# Altium PCB qfc.PcbDoc (part 5 of 13)
Units mil, origin at the board's own origin, x right, y up, seen from the top; angles counter-clockwise.
Board outline 1990 x 2620 mil, 4 copper layers (Top Layer, Mid-Layer 1, Mid-Layer 2, Bottom Layer); 217 components, 187 nets, 805 pads, 370 vias.
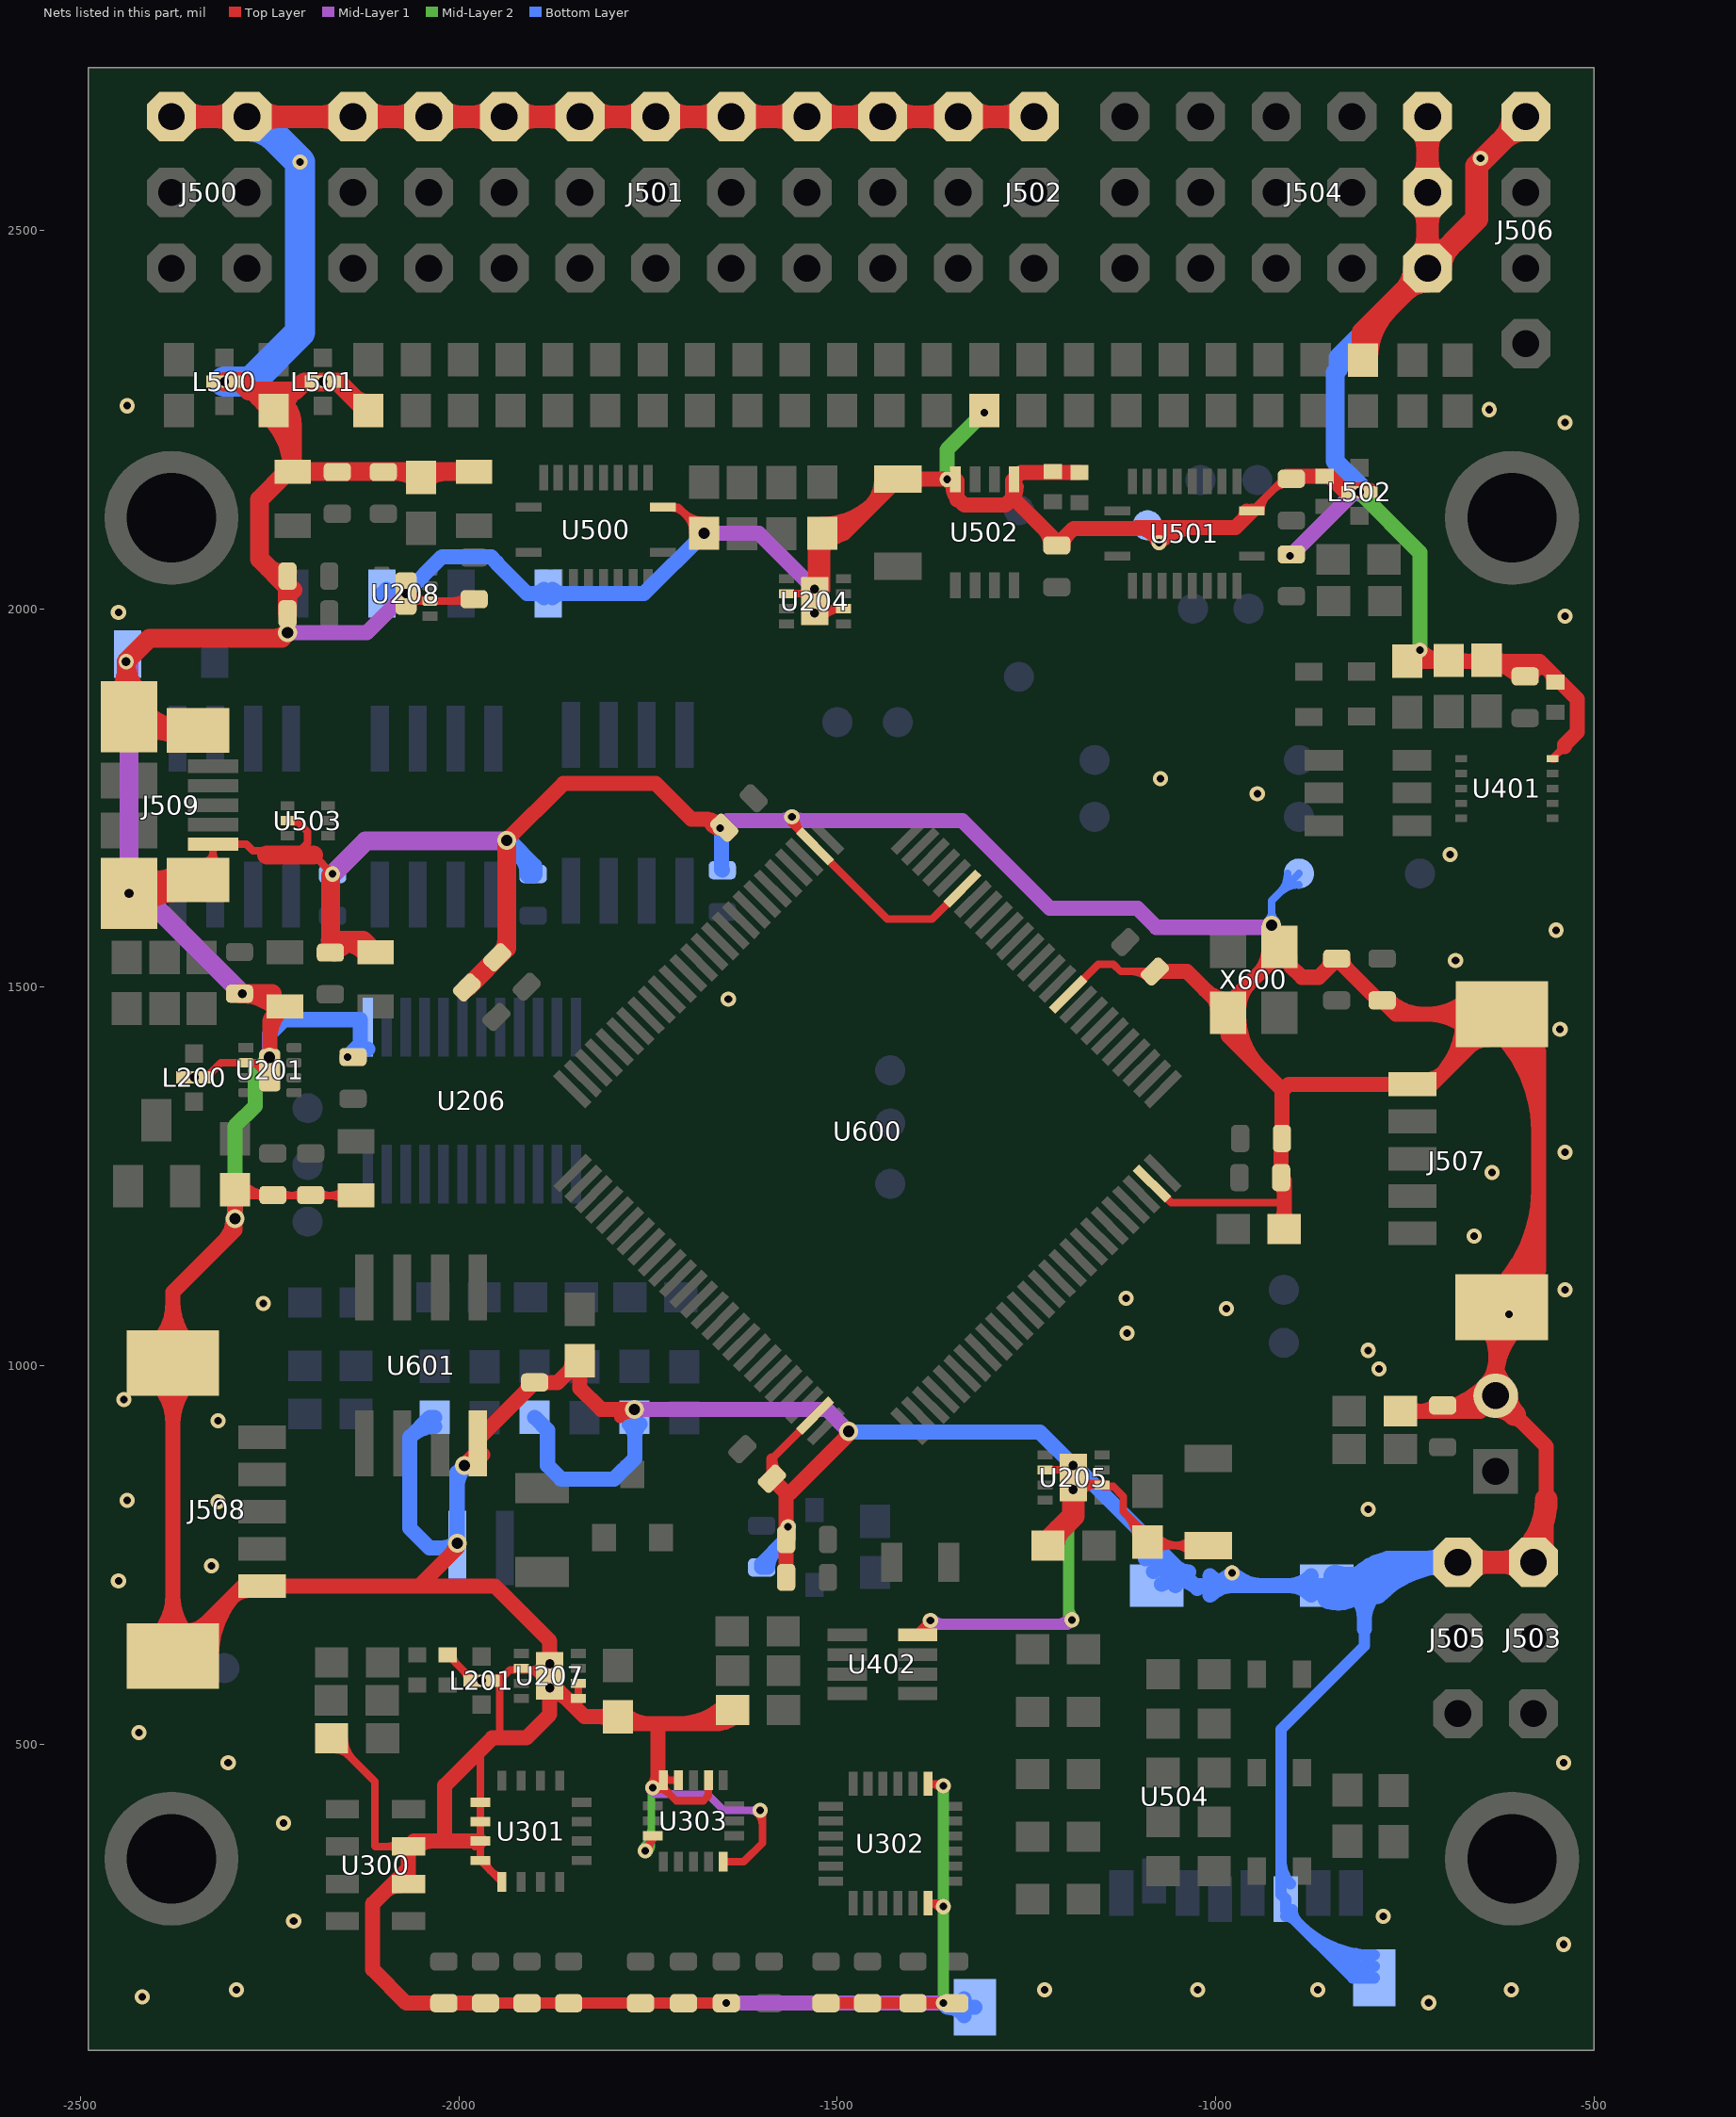
[diagram p7: the nets of this part, all layers, seen from the top]

## Via types
v1: diameter 20, hole 10, Top Layer to Bottom Layer, tented both sides, 256 vias
v2: diameter 22, hole 12, Top Layer to Bottom Layer, tented both sides, 31 vias
v3: diameter 25, hole 15, Top Layer to Bottom Layer, tented both sides, 29 vias
v4: diameter 20, hole 12, Top Layer to Bottom Layer, tented both sides, 17 vias
v5: diameter 30, hole 15, Top Layer to Bottom Layer, tented both sides, 12 vias
v6: diameter 25, hole 12, Top Layer to Bottom Layer, tented both sides, 11 vias
v7: diameter 25, hole 13, Top Layer to Bottom Layer, tented both sides, 5 vias
v8: diameter 40, hole 25, Top Layer to Bottom Layer, tented both sides, 2 vias
v9: diameter 23, hole 13, Top Layer to Bottom Layer, tented both sides, 2 vias
v10: diameter 30, hole 20, Top Layer to Bottom Layer, tented both sides, 2 vias
v11: diameter 20, hole 13, Top Layer to Bottom Layer, tented both sides, 1 vias
v12: diameter 20, hole 15, Top Layer to Bottom Layer, tented both sides, 1 vias
v13: diameter 30, hole 18, Top Layer to Bottom Layer, tented both sides, 1 vias

## Nets (pads, with @x,y where several pads share a name; then routed paths per layer and width w, separated by ;. In a path a pad name is that pad's centre, name@x,y a point inside that pad or via, vN(x,y) a via of type N, cw(c..) or ccw(c..) an arc to the next point about the centre after c; other vN are vias at no path point) (continued)
GND: (continued)
  Top Layer w20: J508.GND@-2378.11,615.91 J508.GND@-2378,616.02 ; R201.1@-2296,1232.23 v3(-2296,1194) -2296,1179 -2378,1097 J508.GND@-2378,1003.01 J508.GND@-2378,616.02 ; U201.GND@-2250,1390 -2250,1454.56 C213.2@-2230,1474.57 ; U300.2@-2066.69,315 -2066.69,336 ; v3(-2002,765) -2002,759.5 -2053.08,708.43 ; v3(-1993,868) -1975,886 U601.4@-1975,897 -1975,902.56 C606.P$2@-1900,977.56 -1869.44,977.56 R210.1@-1840.47,1006.54 -1840.47,970.18 -1812.28,942 -1777,942 v3(-1768,942) ; U301.11@-1971.93,371.73 -2019,371.73 ; C303.P$2@-1965,157.44 C300.P$2@-2020,157.44 -2069.44,157.44 -2114,202 -2114,288.69 -2066.69,336 ; v3(-1937,1694) -1862,1769 -1740,1769 -1693,1722 -1672.6,1722 -1670.6,1720 ; U207.GND@-1876,578 -1834,536 R223.2@-1790,536 -1781,527 -1737,527 ; R413.1@-1638.46,545 -1656.46,527 -1737,527 ; C604.P$2@-1586.51,850.51 -1567.56,831.56 C401.P$2@-1567.56,770 C402.P$2@-1567.56,720 ; -1562.26,831.56 v3@-1485,908.82 ; R221.1@-1520,2099.54 -1491.46,2099.54 C214.P$2@-1420,2171 -1344.12,2171 U502.4@-1344,2170.88 -1342,2168.88 -1342,2146.84 -1332.04,2136.88 -1278.16,2136.88 -1268.2,2146.84 ; D502.A@-1180,2180 -1257.5,2180 U502.1@-1266.61,2170.88 -1268.2,2169.29 -1268.2,2146.84 ; C602.P$2@-1080.51,1520.51 -1037.97,1520.51 X600.2@-983.46,1466 ; U501.11@-952.17,2128.96 -974.14,2107 -1104.68,2107 ; C601.P$2@-913.42,1299.01 C607.P$1@-913.42,1248.31 -909.52,1244.41 -909.52,1215 R601.1@-909.52,1180.31 ; C601.P$2@-912.44,1300 -912.44,1362.44 ; C501.P$2@-906.14,2175 -849.64,2175 -831.64,2157 L502.GND@-797.25,2157 ; -784.88,1482.44 -840,1537.56 -840,1536.82 -863.82,1513 -886.18,1513 -902,1528.82 -902,1539.31 X600.4@-916,1553.31 ; -780,1482.44 -761.65,1464.09 J507.GND@-621.89,1464.09 ; R409.2@-756,939.69 -650.31,939.69 P400.2@-630,960 ; J507.GND@-622,1076.99 -630,1068.99 P400.2@-630,960 ; J503.GND@-580,740 -563,757 -563,893 P400.2@-630,960 ; -573,1125.99 -573,1415.2 J507.GND@-621.89,1464.09 ; -539.03,1817.71 -539.03,1820.02 -522,1837.06 -522,1880.36 -572.1,1930.46 R404.1@-747,1930.46 ; J508.GND@-2401.66,639.46 ccw(c-2458.79,696.58) -2378,696.58 ; J508.GND@-2401.66,639.46 ccw(c-2458.79,696.58) -2378,696.58 ; J508.GND@-2401.66,639.46 ccw(c-2458.79,696.58) -2378,696.58 ; J508.GND@-2401.66,639.46 ccw(c-2458.79,696.58) -2378,696.58 ; J508.GND@-2401.55,979.46 cw(c-2458.41,922.6) -2378,922.6 ; J508.GND@-2401.55,979.46 cw(c-2458.41,922.6) -2378,922.6 ; J508.GND@-2401.55,979.46 cw(c-2458.41,922.6) -2378,922.6 ; J508.GND@-2401.55,979.46 cw(c-2458.41,922.6) -2378,922.6 ; J508.GND@-2401.55,1026.56 ccw(c-2458.41,1083.42) -2378,1083.42 ; J508.GND@-2401.55,1026.56 ccw(c-2458.41,1083.42) -2378,1083.42 ; J508.GND@-2401.55,1026.56 ccw(c-2458.41,1083.42) -2378,1083.42 ; J508.GND@-2401.55,1026.56 ccw(c-2458.41,1083.42) -2378,1083.42 ; J508.GND@-2378,616.02 -2285.59,708.43 J508.5@-2260,708.43 -2053.08,708.43 ; -2378,696.05 ccw(c-2297.97,696.05) J508.GND@-2354.56,639.46 ; -2378,696.05 ccw(c-2297.97,696.05) J508.GND@-2354.56,639.46 ; -2378,696.05 ccw(c-2297.97,696.05) J508.GND@-2354.56,639.46 ; -2378,696.05 ccw(c-2297.97,696.05) J508.GND@-2354.56,639.46 ; -2378,922.6 cw(c-2297.59,922.6) J508.GND@-2354.45,979.46 ; -2378,922.6 cw(c-2297.59,922.6) J508.GND@-2354.45,979.46 ; -2378,922.6 cw(c-2297.59,922.6) J508.GND@-2354.45,979.46 ; -2378,922.6 cw(c-2297.59,922.6) J508.GND@-2354.45,979.46 ; -2378,1083.42 ccw(c-2297.59,1083.42) J508.GND@-2354.45,1026.56 ; -2378,1083.42 ccw(c-2297.59,1083.42) J508.GND@-2354.45,1026.56 ; -2378,1083.42 ccw(c-2297.59,1083.42) J508.GND@-2354.45,1026.56 ; -2378,1083.42 ccw(c-2297.59,1083.42) J508.GND@-2354.45,1026.56 ; J508.GND@-2360.39,649.21 ccw(c-2360.39,686.85) -2333.78,660.24 ; J508.GND@-2360.39,649.21 ccw(c-2360.39,686.85) -2333.78,660.24 ; J508.GND@-2360.39,649.21 ccw(c-2360.39,686.85) -2333.78,660.24 ; J508.GND@-2360.39,649.21 ccw(c-2360.39,686.85) -2333.78,660.24 ; J508.GND@-2347.09,615.91 cw(c-2272.19,615.91) -2325.15,668.87 ; J508.GND@-2347.09,615.91 cw(c-2272.19,615.91) -2325.15,668.87 ; J508.GND@-2347.09,615.91 cw(c-2272.19,615.91) -2325.15,668.87 ; J508.GND@-2347.09,615.91 cw(c-2272.19,615.91) -2325.15,668.87 ; J508.GND@-2327.09,615.91 cw(c-2203.9,615.91) J508.5@-2291.01,703.01 ; J508.GND@-2327.09,615.91 cw(c-2203.9,615.91) J508.5@-2291.01,703.01 ; J508.GND@-2327.09,615.91 cw(c-2203.9,615.91) J508.5@-2291.01,703.01 ; J508.GND@-2327.09,615.91 cw(c-2203.9,615.91) J508.5@-2291.01,703.01 ; -2310.87,1164.13 ccw(c-2340.75,1194) v3@-2298.5,1194 ; -2310.87,1164.13 ccw(c-2340.75,1194) v3@-2298.5,1194 ; -2310.87,1164.13 ccw(c-2340.75,1194) v3@-2298.5,1194 ; -2310.87,1164.13 ccw(c-2340.75,1194) v3@-2298.5,1194 ; R201.1@-2303.07,1223.16 cw(c-2320.14,1206.09) v3@-2296,1206.09 ; R201.1@-2303.07,1223.16 cw(c-2320.14,1206.09) v3@-2296,1206.09 ; R201.1@-2303.07,1223.16 cw(c-2320.14,1206.09) v3@-2296,1206.09 ; R201.1@-2303.07,1223.16 cw(c-2320.14,1206.09) v3@-2296,1206.09 ; -2302.36,691.65 cw(c-2275.75,665.04) J508.5@-2275.75,702.68 ; -2302.36,691.65 cw(c-2275.75,665.04) J508.5@-2275.75,702.68 ; -2302.36,691.65 cw(c-2275.75,665.04) J508.5@-2275.75,702.68 ; -2302.36,691.65 cw(c-2275.75,665.04) J508.5@-2275.75,702.68 ; v3@-2296,1206.09 cw(c-2271.86,1206.09) R201.1@-2288.93,1223.16 ; v3@-2296,1206.09 cw(c-2271.86,1206.09) R201.1@-2288.93,1223.16 ; v3@-2296,1206.09 cw(c-2271.86,1206.09) R201.1@-2288.93,1223.16 ; v3@-2296,1206.09 cw(c-2271.86,1206.09) R201.1@-2288.93,1223.16 ; -2250,1431.11 cw(c-2194.54,1431.11) C213.2@-2233.76,1470.32 ; -2250,1431.11 cw(c-2194.54,1431.11) C213.2@-2233.76,1470.32 ; -2250,1431.11 cw(c-2194.54,1431.11) C213.2@-2233.76,1470.32 ; -2250,1431.11 cw(c-2194.54,1431.11) C213.2@-2233.76,1470.32 ; -2250,1451.24 cw(c-2231.89,1451.24) C213.2@-2236.48,1468.76 ; -2250,1451.24 cw(c-2231.89,1451.24) C213.2@-2236.48,1468.76 ; -2250,1451.24 cw(c-2231.89,1451.24) C213.2@-2236.48,1468.76 ; -2250,1451.24 cw(c-2231.89,1451.24) C213.2@-2236.48,1468.76 ; -2246,1458.56 ccw(c-2254.61,1467.18) C213.2@-2243.48,1472.13 ; -2246,1458.56 ccw(c-2254.61,1467.18) C213.2@-2243.48,1472.13 ; -2246,1458.56 ccw(c-2254.61,1467.18) C213.2@-2243.48,1472.13 ; -2246,1458.56 ccw(c-2254.61,1467.18) C213.2@-2243.48,1472.13 ; -2098.88,303.81 cw(c-2076.69,281.62) U300.2@-2076.69,313 ; -2098.88,303.81 cw(c-2076.69,281.62) U300.2@-2076.69,313 ; -2098.88,303.81 cw(c-2076.69,281.62) U300.2@-2076.69,313 ; -2098.88,303.81 cw(c-2076.69,281.62) U300.2@-2076.69,313 ; -2066.69,336 U300.3@-2066.69,364.61 -2059.57,371.73 -2019,371.73 ; U300.3@-2055.28,363.19 cw(c-2034.66,342.57) -2034.66,371.73 ; U300.3@-2055.28,363.19 cw(c-2034.66,342.57) -2034.66,371.73 ; U300.3@-2055.28,363.19 cw(c-2034.66,342.57) -2034.66,371.73 ; U300.3@-2055.28,363.19 cw(c-2034.66,342.57) -2034.66,371.73 ; -2053.08,708.43 -1952.38,708.43 -1880,636.04 U207.GND@-1880,605.75 U207.GND@-1880,590 U207.GND@-1880,574 -1880,539 -1911,508 -1946,508 -1956,508 -2019,445 -2019,371.73 ; -2010.15,751.35 ccw(c-2023.8,765) v3@-2004.5,765 ; -2010.15,751.35 ccw(c-2023.8,765) v3@-2004.5,765 ; -2010.15,751.35 ccw(c-2023.8,765) v3@-2004.5,765 ; -2010.15,751.35 ccw(c-2023.8,765) v3@-2004.5,765 ; U601.4@-1981.43,879.57 cw(c-1972.89,871.04) U601.4@-1968.58,882.32 ; U601.4@-1981.43,879.57 cw(c-1972.89,871.04) U601.4@-1968.58,882.32 ; U601.4@-1981.43,879.57 cw(c-1972.89,871.04) U601.4@-1968.58,882.32 ; U601.4@-1981.43,879.57 cw(c-1972.89,871.04) U601.4@-1968.58,882.32 ; -1913.66,963.9 ccw(c-1927.31,977.56) C606.P$2@-1908,977.56 ; -1913.66,963.9 ccw(c-1927.31,977.56) C606.P$2@-1908,977.56 ; -1913.66,963.9 ccw(c-1927.31,977.56) C606.P$2@-1908,977.56 ; -1913.66,963.9 ccw(c-1927.31,977.56) C606.P$2@-1908,977.56 ; U207.GND@-1885.66,570.84 cw(c-1899.31,557.19) -1880,557.19 ; U207.GND@-1885.66,570.84 cw(c-1899.31,557.19) -1880,557.19 ; U207.GND@-1885.66,570.84 cw(c-1899.31,557.19) -1880,557.19 ; U207.GND@-1885.66,570.84 cw(c-1899.31,557.19) -1880,557.19 ; U207.GND@-1885.66,609.16 ccw(c-1899.31,622.81) -1880,622.81 ; U207.GND@-1885.66,609.16 ccw(c-1899.31,622.81) -1880,622.81 ; U207.GND@-1885.66,609.16 ccw(c-1899.31,622.81) -1880,622.81 ; U207.GND@-1885.66,609.16 ccw(c-1899.31,622.81) -1880,622.81 ; -1880,557.19 cw(c-1860.69,557.19) U207.GND@-1874.34,570.84 ; -1880,557.19 cw(c-1860.69,557.19) U207.GND@-1874.34,570.84 ; -1880,557.19 cw(c-1860.69,557.19) U207.GND@-1874.34,570.84 ; -1880,557.19 cw(c-1860.69,557.19) U207.GND@-1874.34,570.84 ; U207.GND@-1880,568.5 cw(c-1880,535.91) -1856.95,558.95 ; U207.GND@-1880,568.5 cw(c-1880,535.91) -1856.95,558.95 ; U207.GND@-1880,568.5 cw(c-1880,535.91) -1856.95,558.95 ; U207.GND@-1880,568.5 cw(c-1880,535.91) -1856.95,558.95 ; U207.GND@-1880,575 cw(c-1880,558.1) U207.GND@-1868.05,570.05 ; U207.GND@-1880,575 cw(c-1880,558.1) U207.GND@-1868.05,570.05 ; U207.GND@-1880,575 cw(c-1880,558.1) U207.GND@-1868.05,570.05 ; U207.GND@-1880,575 cw(c-1880,558.1) U207.GND@-1868.05,570.05 ; -1880,622.81 ccw(c-1860.69,622.81) U207.GND@-1874.34,609.16 ; -1880,622.81 ccw(c-1860.69,622.81) U207.GND@-1874.34,609.16 ; -1880,622.81 ccw(c-1860.69,622.81) U207.GND@-1874.34,609.16 ; -1880,622.81 ccw(c-1860.69,622.81) U207.GND@-1874.34,609.16 ; -1860.95,986.05 cw(c-1840.47,965.56) R210.1@-1840.47,994.54 ; -1860.95,986.05 cw(c-1840.47,965.56) R210.1@-1840.47,994.54 ; -1860.95,986.05 cw(c-1840.47,965.56) R210.1@-1840.47,994.54 ; -1860.95,986.05 cw(c-1840.47,965.56) R210.1@-1840.47,994.54 ; -1859.66,561.66 ccw(c-1846,575.32) U207.5@-1846,556 ; -1859.66,561.66 ccw(c-1846,575.32) U207.5@-1846,556 ; -1859.66,561.66 ccw(c-1846,575.32) U207.5@-1846,556 ; -1859.66,561.66 ccw(c-1846,575.32) U207.5@-1846,556 ; R210.1@-1856.12,990.88 ccw(c-1869.78,1004.54) R210.1@-1850.47,1004.54 ; R210.1@-1856.12,990.88 ccw(c-1869.78,1004.54) R210.1@-1850.47,1004.54 ; R210.1@-1856.12,990.88 ccw(c-1869.78,1004.54) R210.1@-1850.47,1004.54 ; R210.1@-1856.12,990.88 ccw(c-1869.78,1004.54) R210.1@-1850.47,1004.54 ; R210.1@-1847.54,997.46 cw(c-1864.61,980.39) -1840.47,980.39 ; R210.1@-1847.54,997.46 cw(c-1864.61,980.39) -1840.47,980.39 ; R210.1@-1847.54,997.46 cw(c-1864.61,980.39) -1840.47,980.39 ; R210.1@-1847.54,997.46 cw(c-1864.61,980.39) -1840.47,980.39 ; -1840.47,980.39 cw(c-1816.32,980.39) R210.1@-1833.39,997.46 ; -1840.47,980.39 cw(c-1816.32,980.39) R210.1@-1833.39,997.46 ; -1840.47,980.39 cw(c-1816.32,980.39) R210.1@-1833.39,997.46 ; -1840.47,980.39 cw(c-1816.32,980.39) R210.1@-1833.39,997.46 ; -1814.14,536 cw(c-1814.14,511.86) R223.2@-1797.07,528.93 ; -1814.14,536 ccw(c-1814.14,560.14) R223.2@-1797.07,543.07 ; -1814.14,536 cw(c-1814.14,511.86) R223.2@-1797.07,528.93 ; -1814.14,536 ccw(c-1814.14,560.14) R223.2@-1797.07,543.07 ; -1814.14,536 cw(c-1814.14,511.86) R223.2@-1797.07,528.93 ; -1814.14,536 ccw(c-1814.14,560.14) R223.2@-1797.07,543.07 ; -1814.14,536 cw(c-1814.14,511.86) R223.2@-1797.07,528.93 ; -1814.14,536 ccw(c-1814.14,560.14) R223.2@-1797.07,543.07 ; R223.2@-1782.93,541.07 ccw(c-1748.96,575.04) -1748.96,527 ; R223.2@-1782.93,541.07 ccw(c-1748.96,575.04) -1748.96,527 ; R223.2@-1782.93,541.07 ccw(c-1748.96,575.04) -1748.96,527 ; R223.2@-1782.93,541.07 ccw(c-1748.96,575.04) -1748.96,527 ; v1(-1744,442) ccw(c-1758.78,458) -1737,458 ; v1(-1744,442) ccw(c-1760.9,458.9) -1737,458.9 ; v1(-1744,442) ccw(c-1758.78,458) -1737,458 ; v1(-1744,442) ccw(c-1760.9,458.9) -1737,458.9 ; v1(-1744,442) ccw(c-1758.78,458) -1737,458 ; v1(-1744,442) ccw(c-1760.9,458.9) -1737,458.9 ; v1(-1744,442) ccw(c-1758.78,458) -1737,458 ; v1(-1744,442) ccw(c-1760.9,458.9) -1737,458.9 ; -1737,458 -1737,527 ; -1737,466.51 ccw(c-1722.76,466.51) U303.13@-1732.83,456.44 ; -1737,466.51 ccw(c-1722.76,466.51) U303.13@-1732.83,456.44 ; -1737,466.51 ccw(c-1722.76,466.51) U303.13@-1732.83,456.44 ; -1737,466.51 ccw(c-1722.76,466.51) U303.13@-1732.83,456.44 ; -1708.06,527 ccw(c-1708.06,612.6) R413.1@-1647.54,552.07 ; -1708.06,527 ccw(c-1708.06,612.6) R413.1@-1647.54,552.07 ; -1708.06,527 ccw(c-1708.06,612.6) R413.1@-1647.54,552.07 ; -1708.06,527 ccw(c-1708.06,612.6) R413.1@-1647.54,552.07 ; -1676.05,1722 cw(c-1676.05,1692.43) C600.P$2@-1655.15,1713.34 ; -1676.05,1722 cw(c-1676.05,1692.43) C600.P$2@-1655.15,1713.34 ; -1676.05,1722 cw(c-1676.05,1692.43) C600.P$2@-1655.15,1713.34 ; -1676.05,1722 cw(c-1676.05,1692.43) C600.P$2@-1655.15,1713.34 ; C600.P$2@-1664.56,1713.96 ccw(c-1655,1723.51) v1(-1655,1710) ; C600.P$2@-1664.56,1713.96 ccw(c-1655,1723.51) v1(-1655,1710) ; C600.P$2@-1664.56,1713.96 ccw(c-1655,1723.51) v1(-1655,1710) ; C600.P$2@-1664.56,1713.96 ccw(c-1655,1723.51) v1(-1655,1710) ; C600.P$2@-1664.56,1713.96 ccw(c-1655,1723.51) v1(-1655,1710) ; C600.P$2@-1664.56,1713.96 ccw(c-1655,1723.51) v1(-1655,1710) ; C600.P$2@-1664.56,1713.96 ccw(c-1655,1723.51) v1(-1655,1710) ; C600.P$2@-1664.56,1713.96 ccw(c-1655,1723.51) v1(-1655,1710) ; R413.1@-1659.78,527 ccw(c-1659.78,564.31) R413.1@-1633.39,537.93 ; R413.1@-1659.78,527 ccw(c-1659.78,564.31) R413.1@-1633.39,537.93 ; R413.1@-1659.78,527 ccw(c-1659.78,564.31) R413.1@-1633.39,537.93 ; R413.1@-1659.78,527 ccw(c-1659.78,564.31) R413.1@-1633.39,537.93 ; R221.1@-1520,2091.54 ccw(c-1520,2141.11) -1484.94,2106.06 ; R221.1@-1520,2091.54 ccw(c-1520,2141.11) -1484.94,2106.06 ; R221.1@-1520,2091.54 ccw(c-1520,2141.11) -1484.94,2106.06 ; R221.1@-1520,2091.54 ccw(c-1520,2141.11) -1484.94,2106.06 ; R221.1@-1520,2111.54 ccw(c-1520,2209.4) -1450.8,2140.2 ; R221.1@-1520,2111.54 ccw(c-1520,2209.4) -1450.8,2140.2 ; R221.1@-1520,2111.54 ccw(c-1520,2209.4) -1450.8,2140.2 ; R221.1@-1520,2111.54 ccw(c-1520,2209.4) -1450.8,2140.2 ; R221.1@-1512.93,2092.46 cw(c-1495.86,2075.39) -1495.86,2099.54 ; R221.1@-1512.93,2092.46 cw(c-1495.86,2075.39) -1495.86,2099.54 ; R221.1@-1512.93,2092.46 cw(c-1495.86,2075.39) -1495.86,2099.54 ; R221.1@-1512.93,2092.46 cw(c-1495.86,2075.39) -1495.86,2099.54 ; R221.1@-1512.93,2106.61 ccw(c-1495.86,2123.68) -1495.86,2099.54 ; R221.1@-1512.93,2106.61 ccw(c-1495.86,2123.68) -1495.86,2099.54 ; R221.1@-1512.93,2106.61 ccw(c-1495.86,2123.68) -1495.86,2099.54 ; R221.1@-1512.93,2106.61 ccw(c-1495.86,2123.68) -1495.86,2099.54 ; -1492.22,901.6 ccw(c-1503.63,913) v3@-1487.5,913 ; -1492.22,901.6 ccw(c-1503.63,913) v3@-1487.5,913 ; -1492.22,901.6 ccw(c-1503.63,913) v3@-1487.5,913 ; -1492.22,901.6 ccw(c-1503.63,913) v3@-1487.5,913 ; -1456.7,2134.3 ccw(c-1493.41,2171) C214.P$2@-1441.5,2171 ; -1456.7,2134.3 ccw(c-1493.41,2171) C214.P$2@-1441.5,2171 ; -1456.7,2134.3 ccw(c-1493.41,2171) C214.P$2@-1441.5,2171 ; -1456.7,2134.3 ccw(c-1493.41,2171) C214.P$2@-1441.5,2171 ; C214.P$2@-1400.84,2165.34 cw(c-1387.19,2151.69) -1387.19,2171 ; C214.P$2@-1400.84,2165.34 cw(c-1387.19,2151.69) -1387.19,2171 ; C214.P$2@-1400.84,2165.34 cw(c-1387.19,2151.69) -1387.19,2171 ; C214.P$2@-1400.84,2165.34 cw(c-1387.19,2151.69) -1387.19,2171 ; C214.P$2@-1400.84,2176.66 ccw(c-1387.19,2190.31) -1387.19,2171 ; C214.P$2@-1400.84,2176.66 ccw(c-1387.19,2190.31) -1387.19,2171 ; C214.P$2@-1400.84,2176.66 ccw(c-1387.19,2190.31) -1387.19,2171 ; C214.P$2@-1400.84,2176.66 ccw(c-1387.19,2190.31) -1387.19,2171 ; v1(-1355,2170.88) cw(c-1377.23,2143.55) -1342,2143.55 ; v1(-1355,2170.88) cw(c-1355.15,2157.73) U502.4@-1342,2157.73 ; v1(-1355,2170.88) cw(c-1377.23,2143.55) -1342,2143.55 ; v1(-1355,2170.88) cw(c-1355.15,2157.73) U502.4@-1342,2157.73 ; v1(-1355,2170.88) cw(c-1377.23,2143.55) -1342,2143.55 ; v1(-1355,2170.88) cw(c-1355.15,2157.73) U502.4@-1342,2157.73 ; v1(-1355,2170.88) cw(c-1377.23,2143.55) -1342,2143.55 ; U502.4@-1347,2160.88 ccw(c-1325.17,2160.88) -1340.61,2145.45 ; U502.4@-1347,2160.88 ccw(c-1325.17,2160.88) -1340.61,2145.45 ; U502.4@-1347,2160.88 ccw(c-1325.17,2160.88) -1340.61,2145.45 ; U502.4@-1347,2160.88 ccw(c-1325.17,2160.88) -1340.61,2145.45 ; -1270.3,2144.75 ccw(c-1286.43,2160.88) U502.1@-1263.61,2160.88 ; -1270.3,2144.75 ccw(c-1286.43,2160.88) U502.1@-1263.61,2160.88 ; -1270.3,2144.75 ccw(c-1286.43,2160.88) U502.1@-1263.61,2160.88 ; -1270.3,2144.75 ccw(c-1286.43,2160.88) U502.1@-1263.61,2160.88 ; -1268.2,2146.84 -1210,2088.64 C503.P$2@-1210,2083.56 -1187.6,2105.96 -1105.72,2105.96 -1104.68,2107 ; -1227.25,2105.88 cw(c-1249.57,2083.56) C503.P$2@-1218,2083.56 ; -1227.25,2105.88 cw(c-1249.57,2083.56) C503.P$2@-1218,2083.56 ; -1227.25,2105.88 cw(c-1249.57,2083.56) C503.P$2@-1218,2083.56 ; -1227.25,2105.88 cw(c-1249.57,2083.56) C503.P$2@-1218,2083.56 ; C503.P$2@-1202,2083.56 cw(c-1182.69,2083.56) -1196.34,2097.22 ; C503.P$2@-1202,2083.56 cw(c-1182.69,2083.56) -1196.34,2097.22 ; C503.P$2@-1202,2083.56 cw(c-1182.69,2083.56) -1196.34,2097.22 ; C503.P$2@-1202,2083.56 cw(c-1182.69,2083.56) -1196.34,2097.22 ; -1104.68,2107 cw(c-1104.68,2074.98) v1(-1075,2087) ; -1104.68,2107 cw(c-1104.68,2074.98) v1(-1075,2087) ; -1104.68,2107 cw(c-1104.68,2074.98) v1(-1075,2087) ; -1104.68,2107 cw(c-1104.68,2074.98) v1(-1075,2087) ; v1(-1075,2087) cw(c-1026.72,2038.72) -1026.72,2107 ; v1(-1075,2087) cw(c-1026.72,2038.72) -1026.72,2107 ; v1(-1075,2087) cw(c-1026.72,2038.72) -1026.72,2107 ; v1(-1075,2087) cw(c-1026.72,2038.72) -1026.72,2107 ; C602.P$2@-1074.85,1526.17 ccw(c-1061.2,1539.82) -1061.2,1520.51 ; C602.P$2@-1074.85,1526.17 ccw(c-1061.2,1539.82) -1061.2,1520.51 ; C602.P$2@-1074.85,1526.17 ccw(c-1061.2,1539.82) -1061.2,1520.51 ; C602.P$2@-1074.85,1526.17 ccw(c-1061.2,1539.82) -1061.2,1520.51 ; -1014.19,1496.73 ccw(c-983.46,1527.46) X600.2@-983.46,1484 ; -1014.19,1496.73 ccw(c-983.46,1527.46) X600.2@-983.46,1484 ; -1014.19,1496.73 ccw(c-983.46,1527.46) X600.2@-983.46,1484 ; -1014.19,1496.73 ccw(c-983.46,1527.46) X600.2@-983.46,1484 ; X600.2@-1004.53,1487.07 cw(c-1021.61,1470) X600.2@-997.46,1470 ; X600.2@-1004.53,1487.07 cw(c-1021.61,1470) X600.2@-997.46,1470 ; X600.2@-1004.53,1487.07 cw(c-1021.61,1470) X600.2@-997.46,1470 ; X600.2@-1004.53,1487.07 cw(c-1021.61,1470) X600.2@-997.46,1470 ; X600.2@-991.3,1450.4 cw(c-1001.27,1435.65) -983.46,1435.65 ; X600.2@-991.3,1450.4 cw(c-1001.27,1435.65) -983.46,1435.65 ; X600.2@-991.3,1450.4 cw(c-1001.27,1435.65) -983.46,1435.65 ; X600.2@-991.3,1450.4 cw(c-1001.27,1435.65) -983.46,1435.65 ; X600.2@-991.3,1450.4 cw(c-1001.27,1435.65) -983.46,1435.65 ; X600.2@-991.3,1450.4 cw(c-1001.27,1435.65) -983.46,1435.65 ; X600.2@-991.3,1450.4 cw(c-1001.27,1435.65) -983.46,1435.65 ; X600.2@-991.3,1450.4 cw(c-1001.27,1435.65) -983.46,1435.65 ; X600.2@-989.46,1462 ccw(c-940.33,1462) -975.07,1427.26 ; X600.2@-989.46,1462 ccw(c-940.33,1462) -975.07,1427.26 ; X600.2@-989.46,1462 ccw(c-940.33,1462) -975.07,1427.26 ; X600.2@-989.46,1462 ccw(c-940.33,1462) -975.07,1427.26 ; -983.46,1435.65 cw(c-965.66,1435.65) X600.2@-975.63,1450.4 ; -983.46,1435.65 cw(c-965.66,1435.65) X600.2@-975.63,1450.4 ; -983.46,1435.65 cw(c-965.66,1435.65) X600.2@-975.63,1450.4 ; -983.46,1435.65 cw(c-965.66,1435.65) X600.2@-975.63,1450.4 ; -983.46,1435.65 cw(c-965.66,1435.65) X600.2@-975.63,1450.4 ; -983.46,1435.65 cw(c-965.66,1435.65) X600.2@-975.63,1450.4 ; -983.46,1435.65 cw(c-965.66,1435.65) X600.2@-975.63,1450.4 ; -983.46,1435.65 cw(c-965.66,1435.65) X600.2@-975.63,1450.4 ; -983.46,1435.65 -912.44,1364.62 -912.44,1362.44 ; -983.46,1435.65 X600.2@-983.46,1466 ; X600.2@-983.46,1466 -983.46,1477.27 -916,1544.73 X600.4@-916,1553.31 ; X600.2@-969.46,1462 ccw(c-872.04,1462) -940.93,1393.11 ; X600.2@-969.46,1462 ccw(c-872.04,1462) -940.93,1393.11 ; X600.2@-969.46,1462 ccw(c-872.04,1462) -940.93,1393.11 ; X600.2@-969.46,1462 ccw(c-872.04,1462) -940.93,1393.11 ; X600.2@-969.46,1470 cw(c-918.12,1470) -954.43,1506.3 ; X600.2@-969.46,1470 cw(c-918.12,1470) -954.43,1506.3 ; X600.2@-969.46,1470 cw(c-918.12,1470) -954.43,1506.3 ; X600.2@-969.46,1470 cw(c-918.12,1470) -954.43,1506.3 ; -964.12,2117.01 ccw(c-976.07,2128.96) U501.11@-959.17,2128.96 ; -964.12,2117.01 ccw(c-976.07,2128.96) U501.11@-959.17,2128.96 ; -964.12,2117.01 ccw(c-976.07,2128.96) U501.11@-959.17,2128.96 ; -964.12,2117.01 ccw(c-976.07,2128.96) U501.11@-959.17,2128.96 ; -943.14,1517.59 ccw(c-974.85,1549.31) X600.4@-930,1549.31 ; -943.14,1517.59 ccw(c-974.85,1549.31) X600.4@-930,1549.31 ; -943.14,1517.59 ccw(c-974.85,1549.31) X600.4@-930,1549.31 ; -943.14,1517.59 ccw(c-974.85,1549.31) X600.4@-930,1549.31 ; X600.4@-932.08,1528.65 cw(c-916,1512.56) X600.4@-916,1535.31 ; X600.4@-932.08,1528.65 cw(c-916,1512.56) X600.4@-916,1535.31 ; X600.4@-932.08,1528.65 